# Altium PCB pUFM_Digital_Interface_R0.1-PCB.PcbDoc (part 3 of 3)
Units mm, origin at the board's own origin, x right, y up, seen from the top; angles counter-clockwise.
Board outline 147.37 x 77.37 mm, 2 copper layers (Top Layer, Bottom Layer), stack 1.57 mm thick; 267 components, 162 nets, 742 pads, 196 vias.
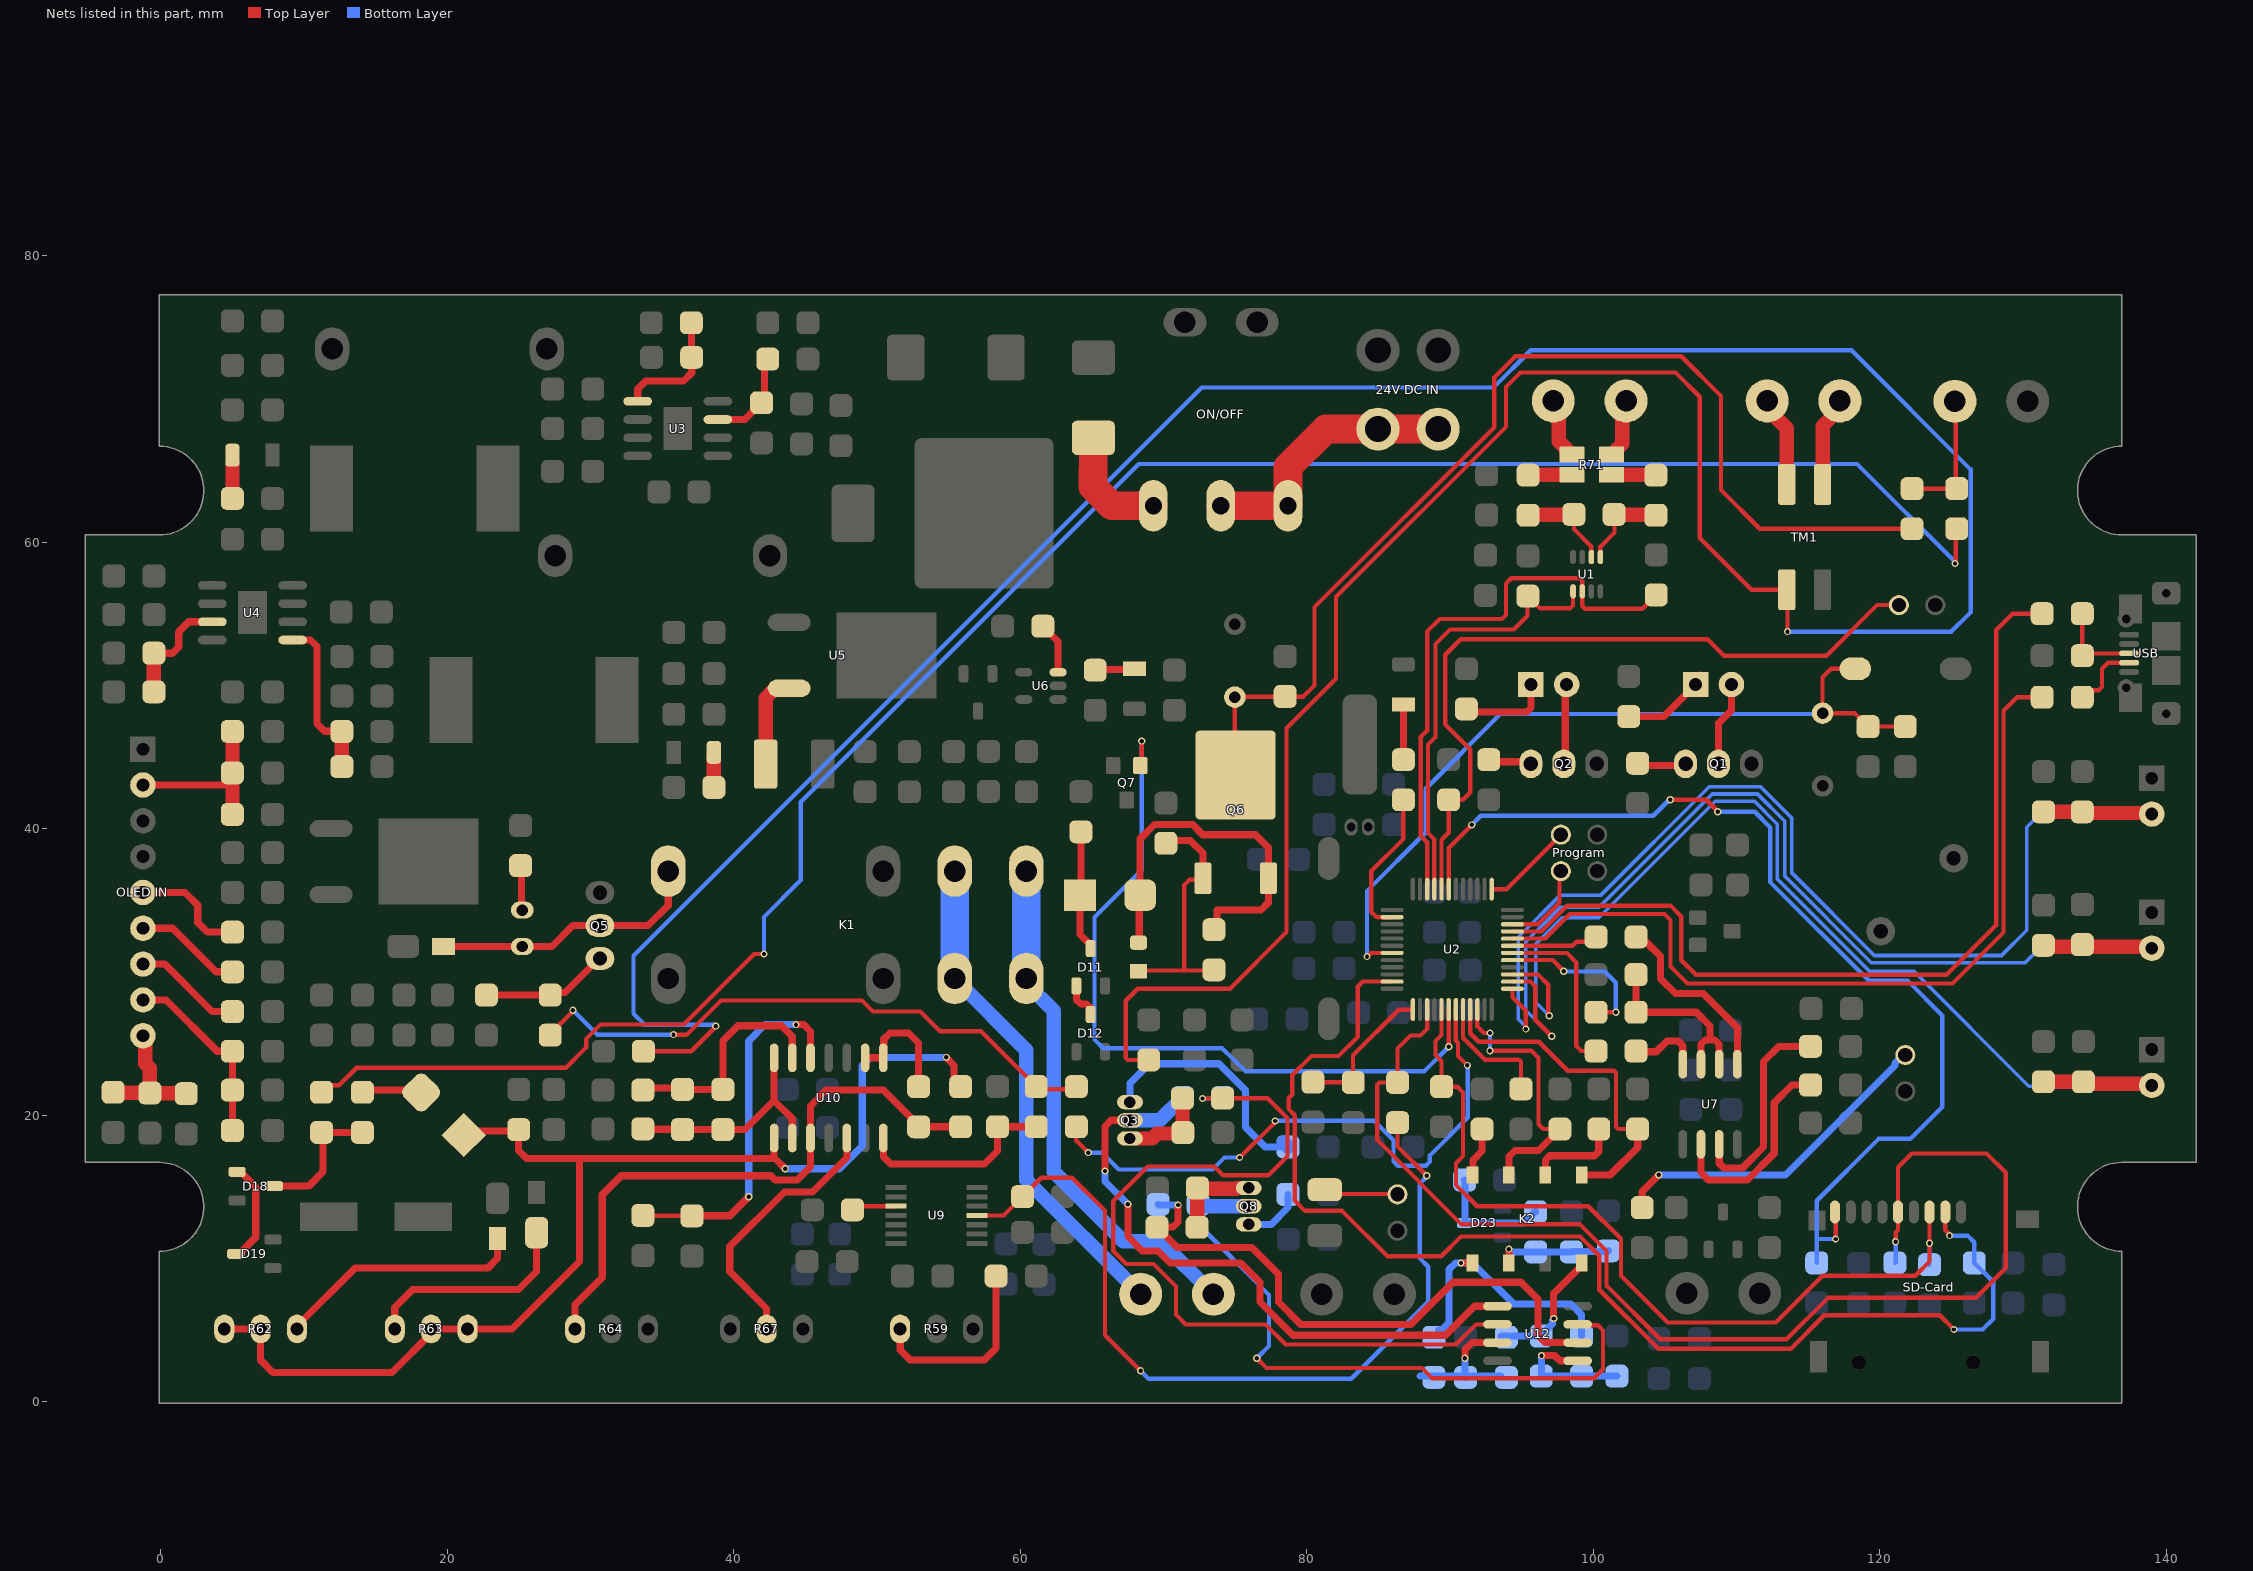
[diagram p3: the nets of this part, all layers, seen from the top]

## Via types
v1: diameter 0.5, hole 0.3, Top Layer to Bottom Layer, tented both sides, 185 vias
v2: diameter 1, hole 0.5, Top Layer to Bottom Layer, tented both sides, 11 vias

## Nets (pads, with @x,y where several pads share a name; then routed paths per layer and width w, separated by ;. In a path a pad name is that pad's centre, name@x,y a point inside that pad or via, vN(x,y) a via of type N, cw(c..) or ccw(c..) an arc to the next point about the centre after c; other vN are vias at no path point) (continued)
NetC53_1: C53.1 R73.1 U1.1 | length 6.2
  Top Layer w0.3: U1.1@100.495,58.985 100.495,59.7 101.478,60.682 C53.1@101.478,61.924
  Top Layer w1: C53.1@101.478,61.924 104.342,61.924 R73.1@104.369,61.897
NetC53_2: C53.2 R72.1 U1.2 | length 6.7
  Top Layer w0.3: C53.2@98.651,61.951 98.651,60.927 99.86,59.718 U1.2@99.86,58.985
  Top Layer w1: R72.1@95.453,61.897 95.48,61.924 98.624,61.924 C53.2@98.651,61.951
NetC56_1: C56.1 R80.2 R84.1 U10.6 | length 16.2
  Top Layer w0.5: R80.2@33.658,22.031 33.766,21.923 36.313,21.923 C56.1@36.42,21.815 R84.1@39.236,21.815 39.236,25.2 40.3,26.264 43.332,26.264 44.085,25.511 U10.6@44.085,24.022 ; R80.2@33.952,22.031 R80.2@33.955,22.034 ; C56.1@36.42,22.247 C56.1@36.424,22.25
NetC56_2: C56.2 R83.2 R84.2 U10.7 U10.9 | length 16.1
  Top Layer w0.5: R83.2@33.658,19.061 33.681,19.038 36.398,19.038 C56.2@36.42,19.015 R84.2@39.236,19.015 40.783,19.015 42.815,21.047 ; U10.7@42.815,24.022 42.815,21.047 ; U10.9@44.085,18.422 44.085,19.777 42.815,21.047
NetC61_1: C61.1 Q3.2 U12.1 | length 44.9
  Top Layer w0.5: v1(65.915,16.114) 65.915,19.236 66.338,19.66 Q3.2@67.657,19.66 ; v1(67.51,13.798) 67.51,11.545 68.519,10.535 69.608,10.535 70.442,9.701 75.383,9.701 76.73,8.355 76.73,6.969 79.043,4.656 89.691,4.656 91.715,6.68 U12.1@93.314,6.68
  Bottom Layer w0.5: v1(65.915,16.114) 65.915,15.393 v1(67.51,13.798)
  Bottom Layer w1: Q3.2@67.657,19.66 69.733,19.66 C61.1@71.32,21.247
NetC61_2: C61.2 R116.1 U12.2 | length 59.3
  Top Layer w0.3: v1(72.72,21.184) 74.031,21.184 74.082,21.234 R116.1@74.12,21.196 77.255,21.196 78.65,19.801 78.65,17.153 77.311,15.814 74.163,15.814 73.547,16.43 68.899,16.43 66.494,14.025 66.494,10.535 67.403,9.627 69.3,9.627 70.872,8.055 70.872,6.093 71.554,5.41 77.121,5.41 78.525,4.006 79.134,4.006 79.276,4.006 90.405,4.006 91.809,5.41 U12.2@93.314,5.41
  Bottom Layer w0.3: v1(72.72,21.184) 74.057,21.184 C61.2@74.12,21.247
NetC62_1: C62.1 R117.2 U12.6 | length 42
  Top Layer w0.5: v1(71.018,13.741) 71.018,12.558 70.665,12.205 69.555,12.205 R117.2@69.542,12.192 70.96,10.774 76.162,10.774 78.018,8.919 78.018,6.971 79.578,5.41 87.263,5.41 90.207,8.355 94.951,8.355 96.143,7.163 96.143,4.644 96.647,4.14 U12.6@98.914,4.14
  Bottom Layer w0.5: C62.1@69.618,13.792 69.669,13.741 v1(71.018,13.741)
NetC62_2: C62.2 Q8.2 U12.7 | length 46.5
  Top Layer w0.3: v1(76.506,3.052) 77.196,2.362 88.036,2.362 88.738,1.661 100.066,1.661 100.68,2.275 100.68,4.993 100.311,5.362 98.961,5.362 U12.7@98.914,5.41
  Bottom Layer w0.3: C62.2@72.418,13.792 72.418,12.398 77.356,7.461 77.356,3.901 v1(76.506,3.052)
  Bottom Layer w1: C62.2@72.368,13.894 72.596,13.665 Q8.2@75.946,13.665
NetCONV-IN_1: "Converter OUT.1" R78.2 R79.2 | length 9.3
  Top Layer w0.3: R78.2@122.25,63.757 R79.2@125.374,63.757 125.311,63.82 125.311,69.787 125.247,69.85
NetD2_1: D2.1 R4.1 | length 3.8
  Top Layer w0.5: R4.1@86.741,44.834 D2.1@86.741,48.683
NetD4_2: D4.2 R32.2 | length 2.5
  Top Layer w1: R32.2@5.001,63.068 D4.2@5.001,65.588
NetD6_2: D6.2 R26.2 | length 1.9
  Top Layer w1: R26.2@38.604,43.164 D6.2@38.604,45.057
NetD8_1: D8.1 R35.1 | length 2.8
  Top Layer w0.5: R35.1@65.231,51.082 65.281,51.132 67.911,51.132 D8.1@67.961,51.183
NetD9_1: D9.1 D10.2 K1.8 Q5.2 | length 19.3
  Top Layer w0.5: D9.1@19.728,31.797 25.651,31.797 27.314,31.797 28.765,33.249 Q5.2@30.658,33.249 34.011,33.249 35.423,34.661 K1.8@35.423,37.059
NetD10_1: D10.1 R42.1 | length 3.2
  Top Layer w0.5: R42.1@25.121,37.437 25.177,37.38 25.177,34.39 D10.1@25.234,34.333
NetD11_1: D11.1 D12.3 | length 2.6
  Top Layer w0.5: D11.1@63.915,29.044 63.932,29.027 63.932,28.067 64.231,27.768 64.622,27.768 64.915,27.475 D12.3@64.915,27.044
NetD11_3: D11.3 D13.1 R40.2 | length 8.5
  Top Layer w0.5: R40.2@64.231,39.799 64.231,35.444 D13.1@64.169,35.382 64.169,32.64 64.915,31.894 D11.3@64.915,31.644
NetD13_2: D13.2 D14.2 Q6.3 R44.2 | length 26.4
  Top Layer w0.5: D14.2@68.25,32.064 68.309,32.124 68.309,35.323 D13.2@68.369,35.382 68.369,39.311 69.36,40.303 72.037,40.303 72.741,39.599 76.428,39.599 77.317,38.71 Q6.3@77.317,36.557 77.317,34.851 76.81,34.344 73.735,34.344 73.735,33.179 R44.2@73.52,32.964
NetD14_1: D14.1 Q6.1 R44.1 R45.2 | length 17.7
  Top Layer w0.3: D14.1@68.25,30.064 68.3,30.114 71.361,30.114 ; Q6.1@72.747,36.557 72.747,36.442 71.805,36.442 71.45,36.087 71.45,30.204 71.361,30.114 ; R44.1@73.52,30.164 73.47,30.114 71.361,30.114
  Top Layer w0.5: R45.2@70.168,38.999 70.361,39.192 71.87,39.192 72.747,38.315 Q6.1@72.747,36.557
NetD15_2: D15.2 Q6.4 R46.2 R78.1 | length 76.7
  Top Layer w0.3: Q6.4@75.032,43.757 74.981,43.808 D15.2@74.981,49.2 75.005,49.224 79.745,49.224 80.543,50.023 80.543,55.491 93.081,68.028 93.081,71.507 94.574,73 106.147,73 108.922,70.224 108.922,63.66 111.625,60.957 R78.1@122.25,60.957
NetD16_1: D16.1 R62.1 | length 17.5
  Top Layer w0.5: R62.1@9.512,5.092 9.512,5.296 13.554,9.338 22.825,9.338 23.495,10.008 D16.1@23.495,11.405
NetD17_2: D17.2 R63.3 | length 15.2
  Top Layer w0.5: R63.3@16.335,5.092 16.335,6.595 17.589,7.849 24.98,7.849 26.234,9.103 D17.2@26.234,11.817
NetD18_1: D18.1 D19.3 | length 7.1
  Top Layer w0.5: D19.3@5.228,10.338 5.328,10.438 5.578,10.438 6.629,11.489 6.629,15.012 5.679,15.962 5.429,15.962 D18.1@5.329,16.062
NetD18_3: D18.3 R68.2 R69.1 | length 9.5
  Top Layer w0.5: D18.3@7.929,15.062 10.328,15.062 11.328,16.062 11.328,18.717 R69.1@11.227,18.818 R68.2@14.074,18.818
NetD20_1: D20.1 R62.2 R62.3 R63.1 R63.2 R65.2 R66.1 U10.8 | length 85
  Top Layer w0.5: R62.3@4.432,5.092 R62.2@6.972,5.092 6.972,2.909 7.823,2.057 16.14,2.057 18.875,4.792 R63.2@18.875,5.092 R63.1@21.415,5.092 24.526,5.092 29.235,9.802 29.235,16.997 ; D20.1@20.785,18.909 24.489,18.909 24.98,19.401 24.98,17.558 25.541,16.997 29.235,16.997 ; U10.8@42.796,18.402 U10.8@42.815,18.422 42.815,17.053 42.871,16.997 ; v1(43.586,16.281) 42.871,16.997 ; v1(54.839,24.054) 54.839,24.027 55.382,23.485 55.382,22.467 R65.2@55.839,22.009 ; 29.235,16.997 42.871,16.997
  Bottom Layer w0.5: v1(43.586,16.281) 47.388,16.281 48.971,17.864 48.971,23.495 49.53,24.054 v1(54.839,24.054)
NetD20_2: D20.2 R68.1 | length 3.8
  Top Layer w0.5: R68.1@14.074,21.618 14.22,21.764 17.7,21.764 D20.2@17.815,21.879
NetD23_3: D23.3 R124.2 R125.1 | length 8.3
  Bottom Layer w0.5: R124.2@91.015,15.487 91.046,15.456 91.046,12.522 D23.3@91.077,12.491 91.086,12.483 95.131,12.483 95.923,13.274 R125.1@95.974,13.274
NetDC_IN_3: "24V DC IN.3" "24V DC IN.4" ON/OFF.1 ON/OFF.2 | length 19
  Top Layer w2: ON/OFF.2@73.99,62.56 ON/OFF.1@78.69,62.56 78.69,65.276 81.327,67.913 84.971,67.913 89.171,67.913
NetF1_1: F1.1 U5.3 | length 6.5
  Top Layer w1: F1.1@42.221,44.526 42.221,49.135 42.869,49.783 43.828,49.783 U5.3@43.866,49.821
NetF2_1: F2.1 ON/OFF.3 | length 8.2
  Top Layer w2: F2.1@65.1,67.304 65.1,65.074 65.078,65.052 65.078,63.877 66.396,62.56 ON/OFF.3@69.29,62.56
NetJ1_2: Program.2 U2.34 | length 6.2
  Top Layer w0.3: U2.34@94.357,33.344 96.13,33.344 96.143,33.357 97.638,34.852 97.638,36.957 Program.2@97.739,37.059
NetJ1_4: Program.4 U2.37 | length 6.4
  Top Layer w0.3: U2.37@92.907,35.794 93.934,35.794 Program.4@97.739,39.599
NetJ2_2: BOOT.2 R3.2 U2.44 | length 52.6
  Top Layer w0.3: U2.44@89.407,35.794 89.407,39.241 89.907,39.741 R3.2@89.907,42.034 90.894,42.034 91.407,42.547 91.407,45.554 89.662,47.299 89.662,52.157 90.743,53.238 107.976,53.238 109.12,52.094 116.28,52.094 119.812,55.626 BOOT.2@121.336,55.626
NetJ4_2: R122.2 Test.2 | length 5.2
  Top Layer w0.3: R122.2@81.255,14.817 81.557,14.515 86.307,14.515 Test.2@86.335,14.487
NetK1_3: K1.3 K1.6 Relay.2 | length 34.9
  Bottom Layer w1: K1.3@55.423,29.559 60.423,24.559 60.423,15.498 Relay.2@68.402,7.518
  Bottom Layer w2: K1.3@55.423,29.559 K1.6@55.423,37.059
NetK1_4: K1.4 K1.5 Relay.1 | length 36.5
  Bottom Layer w1: K1.4@60.423,29.559 60.423,29.214 62.332,27.305 62.332,16.077 67.183,11.225 69.775,11.225 Relay.1@73.482,7.518
  Bottom Layer w2: K1.4@60.423,29.559 K1.5@60.423,37.059
NetK2_2: K2.2 R105.2 | length 6.6
  Top Layer w0.5: K2.2@96.647,15.851 96.671,15.875 96.671,16.891 96.964,17.184 100.091,17.184 100.384,17.477 R105.2@100.384,19.047
NetK2_4: K2.4 R107.2 | length 3.5
  Top Layer w0.5: K2.4@91.567,15.851 91.602,15.886 91.602,16.868 92.24,17.507 R107.2@92.24,19.047
NetK2_5: K2.5 R110.1 R111.2 | length 17.9
  Top Layer w0.5: v1(90.764,9.701) K2.5@91.567,9.701
  Bottom Layer w0.5: R110.1@89.19,5.014 89.42,5.014 89.935,5.529 89.935,9.258 90.377,9.701 v1(90.764,9.701) 91.567,9.701 94.442,6.826 98.447,6.826 99.187,6.086 R111.2@99.187,4.6
NetK2_6: K2.6 R113.1 R115.2 R125.2 | length 8
  Top Layer w0.5: K2.6@94.107,9.701 v1(94.107,10.668)
  Bottom Layer w0.5: v1(94.107,10.668) 94.301,10.474 R125.2@95.974,10.474 R113.1@98.476,10.474 98.512,10.511 101.017,10.511 R115.2@101.054,10.547
NetK2_8: K2.8 R108.1 R109.2 | length 9.1
  Top Layer w0.5: v1(97.243,5.822) 97.231,5.835 97.231,7.555 99.187,9.511 K2.8@99.187,9.701
  Bottom Layer w0.5: R108.1@93.547,4.6 R109.2@96.367,4.6 96.367,4.682 97.148,5.462 97.148,5.727 v1(97.243,5.822)
NetLED1_1: LED1.1 R8.1 | length 6.4
  Top Layer w0.5: R8.1@102.188,47.561 R8.1@102.475,47.848 104.912,47.848 LED1.1@107.147,50.083 ; LED1.1@107.147,50.48 LED1.1@107.407,50.741
NetLED1_2: LED1.2 Q1.2 | length 5.9
  Top Layer w0.5: Q1.2@108.744,44.998 108.744,47.378 109.647,48.28 LED1.2@109.647,50.48
NetLED2_1: LED2.1 R12.1 | length 7.1
  Top Layer w0.5: R12.1@91.141,48.282 91.265,48.158 95.35,48.158 95.642,48.451 LED2.1@95.642,50.083 LED2.1@95.077,49.517
NetLED2_2: LED2.2 Q2.2 | length 5.9
  Top Layer w0.5: Q2.2@97.942,44.236 98.042,44.336 98.042,49.983 LED2.2@98.142,50.083
NetP_OLED_2: "OLED IN.2" R92.1 R93.1 R94.1 | length 12.2
  Top Layer w0.5: -1.245,43.064 4.701,43.064 5.001,42.764 ; R92.1@4.92,43.908 R92.1@5.001,43.908
  Top Layer w1: R94.1@5.001,41.008 5.001,42.764 R92.1@5.001,43.908 R93.1@5.001,46.803
NetP_OLED_5: "OLED IN.5" R89.2 | length 8.1
  Top Layer w0.5: -1.245,35.563 -1.239,35.569 1.688,35.569 2.581,34.676 2.581,33.465 3.25,32.797 R89.2@5.001,32.797
NetP_OLED_6: "OLED IN.6" R90.2 | length 7.5
  Top Layer w0.5: -1.245,33.063 0.82,33.063 3.859,30.025 R90.2@5.001,30.025
NetP_OLED_7: "OLED IN.7" R91.2 | length 7.6
  Top Layer w0.5: -1.245,30.563 0.27,30.563 3.581,27.252 R91.2@5.001,27.252
NetP_OLED_8: "OLED IN.8" R36.1 R85.1 R86.2 | length 13.3
  Top Layer w0.5: -1.245,28.063 0.36,28.063 3.942,24.48 R36.1@5.001,24.48 R86.2@5.001,21.768 R85.1@5.001,18.948
NetP_OLED_9: "OLED IN.9" R37.1 R87.1 R88.2 | length 9.3
  Top Layer w1: R88.2@-3.327,21.618 -3.302,21.593 -0.787,21.593 R87.1@-0.762,21.568 ; -1.245,25.563 -1.096,25.414 -1.096,23.642 -0.762,23.308 R87.1@-0.762,21.568 ; R37.1@1.778,21.517 1.753,21.542 -0.737,21.542 R87.1@-0.762,21.568
NetPowerMeas_IN_1: "Power Measurment.2" R71.2 | length 4.4
  Top Layer w1: R71.2@101.273,66.13 101.598,66.13 101.648,66.18 101.648,66.505 102.018,66.875 102.018,69.608 102.286,69.875
NetPowerMeas_IN_2: "Power Measurment.1" R71.4 | length 4.5
  Top Layer w1: 97.206,69.875 97.588,69.493 97.588,67.065 98.148,66.505 98.148,66.18 98.198,66.13 R71.4@98.523,66.13
NetPUSB_2: R19.1 USB.2 | length 5
  Top Layer w0.3: R19.1@134.137,49.194 134.623,49.68 135.278,49.68 135.509,49.911 135.509,51.181 135.932,51.604 USB.2@137.405,51.604
NetPUSB_3: R15.2 R18.1 USB.3 | length 6.3
  Top Layer w0.3: R18.1@134.137,55.026 R15.2@134.137,52.094 134.287,52.244 137.395,52.244 USB.3@137.405,52.254
NetQ1_3: Q1.3 R5.2 | length 3.4
  Top Layer w0.5: R5.2@103.439,44.268 103.369,44.339 103.469,44.439 106.344,44.439 Q1.3@106.444,44.539 ; Q1.3@106.374,45.068 Q1.3@106.444,44.998
NetQ2_3: Q2.3 R10.2 | length 3.2
  Top Layer w0.5: R10.2@92.558,44.834 92.705,44.686 95.495,44.686 Q2.3@95.642,44.539
NetQ3_1: Q3.1 R116.2 R118.1 | length 6.3
  Top Layer w1: Q3.1@67.657,18.39 69.214,18.39 69.568,18.744 71.293,18.744 R118.1@71.347,18.797 ; R118.1@71.32,18.797 R116.2@71.32,21.196
NetQ3_3: Q3.3 R126.2 | length 17.3
  Bottom Layer w0.5: Q3.3@67.657,20.93 67.657,22.247 69.016,23.606 73.878,23.606 75.726,21.758 75.726,19.176 77.097,17.805 R126.2@78.689,17.805
  Bottom Layer w1: R126.2@78.389,18.105 R126.2@78.689,17.805
NetQ5_3: Q5.3 R41.2 R43.2 | length 8.7
  Top Layer w0.5: R43.2@22.733,28.4 R41.2@27.187,28.4 ; R41.2@27.435,28.572 28.219,28.572 30.596,30.949 Q5.3@30.658,30.949
NetQ8_1: Q8.1 R117.1 R120.2 | length 6.4
  Top Layer w1: R117.1@72.342,12.192 72.355,12.205 72.355,14.922 R120.2@72.368,14.935 72.609,14.935 72.668,14.877 75.068,14.877 75.127,14.935 Q8.1@75.946,14.935
NetQ8_3: Q8.3 R119.1 | length 4.1
  Bottom Layer w0.5: Q8.3@75.946,12.395 77.516,12.395 78.689,13.569 R119.1@78.689,14.487
NetR2_2: R2.2 U2.20 | length 8.6
  Top Layer w0.3: U2.20@90.907,27.394 90.907,25.418 92.44,23.885 94.804,23.885 94.951,23.739 94.951,21.851 R2.2@94.955,21.847
NetR4_2: R4.2 U2.2 | length 10.4
  Top Layer w0.3: 85.008,33.844 U2.2@85.957,33.844 ; 85.008,33.848 84.859,33.848 84.497,34.21 84.497,37.053 86.741,39.297 R4.2@86.741,42.034
NetR6_1: R6.1 R7.2 U4.3 | length 8.3
  Top Layer w0.5: R6.1@-0.483,52.267 0.816,52.267 1.257,52.707 1.257,53.758 1.956,54.458 U4.3@3.601,54.458
  Top Layer w1: R7.2@-0.483,49.572 R6.1@-0.483,52.267
NetR9_1: R9.1 R60.1 TM1.2 | length 251.8
  Top Layer w0.3: R60.1@33.694,24.48 37.028,24.48 38.738,26.19 v1(38.738,26.235) ; R9.1@68.966,23.873 67.512,23.873 67.365,24.019 67.365,28.003 68.206,28.844 74.638,28.844 78.588,32.794 78.588,47.025 82.042,50.479 82.042,56.206 93.904,68.068 93.904,70.852 94.909,71.857 105.74,71.857 107.431,70.166 107.431,60.316 111.046,56.701 TM1.2@113.507,56.701 113.563,56.645 v1(113.563,53.772)
  Bottom Layer w0.3: v1(38.738,26.235) 38.633,26.34 33.757,26.34 32.995,27.102 32.995,31.14 72.669,70.815 93.04,70.815 95.638,73.413 118.027,73.413 126.34,65.1 126.34,55.118 124.993,53.772 v1(113.563,53.772)
NetR18_2: R18.2 U2.33 | length 64
  Top Layer w0.3: U2.33@94.357,32.844 96.378,32.844 98.18,34.646 105.381,34.646 106.147,33.88 106.147,30.829 107.147,29.829 124.674,29.829 128.13,33.285 128.13,53.886 129.27,55.026 R18.2@131.337,55.026
NetR19_2: R19.2 U2.32 | length 58.9
  Top Layer w0.3: U2.32@94.357,32.344 96.647,32.344 98.36,34.057 104.969,34.057 105.394,33.632 105.394,30.395 106.579,29.21 125.076,29.21 128.634,32.768 128.634,48.243 129.585,49.194 R19.2@131.337,49.194
NetR21_1: R21.1 R22.2 U4.5 | length 11.7
  Top Layer w0.3: U4.5@9.201,53.188 U4.5@9.521,53.188
  Top Layer w0.5: U4.5@9.521,53.188 10.444,53.188 10.897,52.735 10.897,47.336 11.418,46.814 12.627,46.814 R22.2@12.638,46.803
  Top Layer w1: R22.2@12.638,46.803 12.642,46.799 12.642,44.352 R21.1@12.646,44.348
NetR27_1: R27.1 R28.2 U3.3 | length 6.8
  Top Layer w0.5: U3.3@38.893,68.58 40.769,68.58 R27.1@41.941,69.752 42.155,69.966 42.155,72.582 R28.2@42.37,72.797
NetR30_1: R30.1 R31.2 U3.5 | length 8.6
  Top Layer w0.5: U3.5@33.293,69.85 33.293,70.708 33.858,71.272 36.488,71.272 37.062,71.846 R30.1@37.062,72.923 37.049,72.936 37.049,75.324 R31.2@37.036,75.336
NetR33_2: R33.2 U6.3 | length 3.7
  Top Layer w0.5: R33.2@61.573,54.153 62.643,53.083 U6.3@62.643,50.937
NetR41_1: R41.1 R76.2 R77.2 | length 41.1
  Top Layer w0.3: R41.1@27.187,25.6 27.187,25.698 28.765,27.276 v1(28.765,27.344) ; v1(35.789,25.641) 36.724,25.641 39.101,28.018 48.953,28.018 49.717,27.255 53.013,27.255 54.394,25.873 57.251,25.873 R76.2@61.115,22.009 ; R76.2@61.115,21.796 61.141,21.822 63.221,21.822 R77.2@63.246,21.847
  Bottom Layer w0.3: v1(28.765,27.344) 30.469,25.641 v1(35.789,25.641)
NetR47_2: R47.2 R48.2 U7.2 U7.3 | length 13.6
  Top Layer w0.5: R47.2@102.992,26.873 103.322,27.203 107.188,27.203 108.149,26.242 108.149,25.273 ; R47.2@102.992,27.203 R48.2@102.992,29.832 ; U7.3@107.518,23.577 107.518,24.98 107.811,25.273 108.149,25.273 ; U7.2@108.788,23.577 108.769,23.596 108.769,24.991 108.487,25.273 108.149,25.273
NetR50_2: R50.2 U7.1 | length 13.3
  Top Layer w0.5: R50.2@102.73,32.131 103.67,32.131 104.691,31.11 104.691,29.548 105.737,28.502 107.676,28.502 110.058,26.12 U7.1@110.058,23.577
NetR51_2: R51.2 U7.4 | length 4.3
  Top Layer w0.5: R51.2@103.67,24.444 104.397,24.444 105.138,25.185 105.936,25.185 106.248,24.873 U7.4@106.248,23.577
NetR52_1: R52.1 U7.7 | length 14.8
  Top Layer w0.5: U7.7@108.788,17.977 108.788,16.655 109.103,16.341 110.436,16.341 111.882,17.787 111.882,23.756 112.941,24.816 R52.1@115.161,24.816
NetR53_1: R53.1 U7.6 | length 14.6
  Top Layer w0.5: U7.6@107.518,17.977 107.518,16.007 108.031,15.494 110.774,15.494 112.636,17.356 112.636,20.891 113.868,22.123 R53.1@115.161,22.123
NetR56_1: R56.1 Termination.1 | length 23.5
  Top Layer w0.5: R56.1@103.415,13.567 103.415,14.693 v1(104.572,15.85)
  Bottom Layer w0.5: v1(104.572,15.85) 113.41,15.85 121.055,23.494 121.055,23.65 121.623,24.219 Termination.1@121.78,24.219
NetR57_1: R57.1 U9.3 | length 3
  Top Layer w0.3: R57.1@48.387,13.667 48.389,13.665 51.334,13.665 U9.3@51.336,13.667
NetR58_1: R58.1 R59.3 | length 13.8
  Top Layer w0.5: R59.3@51.616,5.092 51.616,3.629 52.324,2.921 57.48,2.921 58.315,3.756 R58.1@58.315,8.788
NetR61_1: R61.1 U10.1 U10.2 | length 8.5
  Top Layer w0.5: U10.2@49.165,24.022 U10.1@50.435,24.022 50.467,24.054 50.467,25.318 50.896,25.747 52.206,25.747 52.903,25.05 R61.1@52.903,22.004
NetR61_2: R61.2 R64.3 R65.1 U10.10 | length 42
  Top Layer w0.5: R64.3@28.918,5.092 28.918,6.781 30.822,8.685 30.822,14.464 32.147,15.789 42.603,15.789 42.898,15.494 44.427,15.494 45.355,16.422 U10.10@45.355,18.422 45.355,20.666 46.457,21.768 50.44,21.768 52.93,19.278 53.186,19.278 53.255,19.209 R65.1@55.839,19.209
NetR67_2: R67.2 U10.12 | length 18.9
  Top Layer w0.5: R67.2@42.291,5.092 42.291,6.528 39.72,9.098 39.72,10.841 43.541,14.661 45.489,14.661 47.895,17.067 U10.12@47.895,18.422
NetR69_2: R69.2 R79.1 | length 142.7
  Top Layer w0.3: R69.2@11.227,21.618 11.722,22.114 12.458,22.114 13.677,23.334 28.283,23.334 29.69,24.741 29.69,25.329 30.706,26.345 36.503,26.345 41.426,31.267 v1(42.113,31.267) ; v1(125.247,58.534) 125.311,58.598 125.311,60.894 R79.1@125.374,60.957
  Bottom Layer w0.3: v1(42.113,31.267) 42.113,33.858 44.679,36.424 44.679,41.885 68.275,65.481 118.415,65.481 125.247,58.649 v1(125.247,58.534)
NetR70_1: R70.1 R76.1 U10.14 | length 14.2
  Top Layer w0.5: U10.14@50.435,18.422 50.454,18.402 50.454,17.11 50.952,16.612 57.502,16.612 58.416,17.526 R70.1@58.416,19.209 R76.1@61.115,19.209
NetR71_1: R71.1 R73.2 | length 3.1
  Top Layer w1: R71.1@101.273,64.73 101.29,64.714 104.352,64.714 R73.2@104.369,64.697
NetR71_3: R71.3 R72.2 | length 3.1
  Top Layer w1: R72.2@95.453,64.697 95.47,64.714 98.506,64.714 R71.3@98.523,64.73
NetR81_2: R81.2 R82.2 U10.5 | length 26.1
  Top Layer w0.3: R81.2@33.658,13.017 33.675,13 37.067,13 R82.2@37.084,12.982
  Top Layer w0.5: R82.2@37.084,12.982 R82.2@37.101,13 ; R82.2@37.439,13.337 R82.2@37.101,13 ; v1(41.046,14.326) 39.72,13 R82.2@37.101,13 ; v1(44.348,26.34) 44.88,26.34 45.355,25.866 U10.5@45.355,24.022
  Bottom Layer w0.5: v1(41.046,14.326) 41.046,25.204 42.182,26.34 v1(44.348,26.34)
NetR97_1: R97.1 R98.1 U2.13 | length 10.8
  Top Layer w0.3: R98.1@80.425,22.33 80.438,22.316 83.232,22.316 83.232,24.197 86.418,27.382 U2.13@87.395,27.382 ; U2.13@87.384,26.734 87.384,27.371 U2.13@87.395,27.382 ; U2.13@87.407,27.394 U2.13@87.395,27.382
NetR108_2: R108.2 R110.2 R114.2 U12.3 | length 9.8
  Top Layer w0.5: v1(91.034,3.052) 91.034,3.639 91.536,4.14 U12.3@93.314,4.14
  Bottom Layer w0.5: 87.907,1.8 R114.2@90.727,1.8 ; R114.2@90.996,1.806 R114.2@91.002,1.8 ; v1(91.034,3.052) R114.2@91.034,1.8 ; R114.2@91.086,1.716 R114.2@91.034,1.768 ; R108.2@93.547,1.8 R114.2@91.034,1.8 ; R114.2@91.002,1.8 R114.2@91.034,1.8 ; R114.2@91.002,1.8 R114.2@91.034,1.768 ; R114.2@91.034,1.768 R114.2@91.034,1.8
NetR109_1: R109.1 R111.1 R112.2 U12.5 | length 9.3
  Top Layer w0.5: v1(96.381,3.23) 97.31,3.23 97.669,2.87 U12.5@98.914,2.87
  Bottom Layer w0.5: R109.1@96.367,1.8 R109.1@96.381,1.814 ; v1(96.381,3.23) R109.1@96.381,1.814 ; R109.1@96.437,1.871 R109.1@96.381,1.814 ; R109.1@96.508,1.8 R111.1@99.187,1.8 R112.2@101.651,1.8
NetSens_IN_1: "Sensor IN.2" TM1.4 | length 6.3
  Top Layer w1: TM1.4@116.007,64.051 116.007,68.12 117.221,69.334 117.221,69.875
NetSens_IN_2: "Sensor IN.1" TM1.1 | length 6.4
  Top Layer w1: 112.141,69.875 112.141,69.334 113.507,67.968 TM1.1@113.507,64.051
NRST: C13.2 D1.1 R1.1 RESET.2 U2.7 | length 56.4
  Top Layer w0.3: v1@84.181,31.064 84.46,31.344 U2.7@85.957,31.344 ; RESET.2@118.293,51.181 116.597,51.181 116.007,50.591 D1.1@116.007,48.082 118.24,48.082 R1.1@119.177,47.145 C13.2@121.78,47.145
  Bottom Layer w0.3: v1(84.2,31.086) 84.2,35.669 88.299,39.769 88.299,42.808 93.51,48.019 D1.1@116.007,48.019
OUT-4mA: K2.3 R106.1 U2.22 | length 19
  Top Layer w0.3: 91.907,26.203 U2.22@91.907,27.394 ; 91.911,26.203 92.359,25.756 v1(92.786,25.756) v1@92.804,25.756 ; v1(92.781,24.514) 95.677,24.514 96.175,24.016 96.175,19.38 96.508,19.047 R106.1@97.669,19.047
  Top Layer w0.5: K2.3@94.107,15.851 94.111,15.856 94.111,17.129 94.536,17.553 96.175,17.553 R106.1@97.669,19.047
  Bottom Layer w0.3: v1(92.781,24.514) 92.786,24.519 v1(92.786,25.756)
OUT-20mA: K2.1 R103.1 U2.21 | length 24.3
  Top Layer w0.3: 91.407,25.944 U2.21@91.407,27.394 ; 91.411,25.944 91.411,25.734 92.002,25.143 96.195,25.143 98.215,23.123 101.445,23.123 101.592,22.977 101.592,19.193 101.738,19.047 R103.1@103.099,19.047
  Top Layer w0.5: K2.1@99.187,15.851 101.188,15.851 103.099,17.762 R103.1@103.099,19.047
PIG_DET: Q7.1 U2.18 | length 52.9
  Top Layer w0.3: Q7.1@68.379,44.418 68.478,44.517 v1(68.478,46.126) ; v1(89.907,24.792) U2.18@89.907,27.394
  Bottom Layer w0.3: v1(68.478,46.126) 68.478,37.138 65.176,33.836 65.176,25.305 65.788,24.693 74.074,24.693 75.726,23.092 88.208,23.092 v1(89.907,24.792)
PM_SCL: R74.1 U1.5 U2.45 | length 30.4
  Top Layer w0.3: U2.45@88.907,36.09 88.907,39.267 88.463,39.711 88.463,45.893 88.982,46.411 88.982,52.914 89.992,53.924 94.443,53.924 95.402,54.883 95.402,56.233 R74.1@95.428,56.258 96.288,55.397 98.385,55.397 98.59,55.602 U1.5@98.59,56.585
PM_SDA: R75.1 U1.6 U2.46 | length 39.5
  Top Layer w0.3: U2.46@88.407,35.794 88.407,39.06 87.959,39.507 87.959,46.411 88.399,46.851 88.399,53.772 89.288,54.661 93.634,54.661 93.904,54.93 93.904,57.134 94.272,57.502 99.079,57.502 99.225,57.356 U1.6@99.225,56.585 99.225,55.581 99.43,55.376 103.436,55.376 R75.1@104.394,56.334
REL_OUT: R77.1 U2.19 | length 42.1
  Top Layer w0.3: R77.1@63.915,19.209 63.915,18.233 v1(64.745,17.403) ; v1@75.26,17 v1@75.311,17.05 ; v1(75.311,17.069) v1@75.311,17.05 ; v1@77.776,19.516 v1@75.311,17.05 ; U2.19@90.407,27.394 90.407,25.211 90.557,25.061 90.557,24.149 v1(91.211,23.495)
  Bottom Layer w0.3: v1(64.745,17.403) 65.696,17.403 66.868,16.231 73.412,16.231 74.25,17.069 v1(75.311,17.069) ; v1@77.927,19.634 84.687,19.634 86.055,18.266 86.055,16.777 86.345,16.487 88.299,16.487 88.593,16.781 88.593,17.213 91.231,19.851 91.231,23.475 v1(91.211,23.495)
  other v1: 77.8,19.613
SCK: R101.2 R102.2 U9.11 | length 59.5
  Top Layer w0.3: U9.11@56.975,13.017 58.836,13.017 R101.2@60.157,14.337 61.466,15.646 63.62,15.646 65.915,13.352 65.915,4.658 v1(68.402,2.171) ; R102.2@86.335,19.503 86.335,17.828 v1(88.375,15.787)
  Bottom Layer w0.3: v1(68.402,2.171) 68.96,1.613 83.105,1.613 88.482,6.99 88.482,9.437 87.877,10.042 87.877,15.221 88.375,15.72 v1(88.375,15.787)
SD_Card_CD: R99.2 SD-Card.9 U2.43 | length 72.7
  Top Layer w0.3: U2.43@89.907,35.794 89.907,38.675 v1(91.516,40.284) ; v1(105.369,42.034) 107.891,42.034 108.687,41.238 v1(108.687,41.199) ; SD-Card.9@116.874,13.256 116.918,13.212 116.918,11.381 v1(116.916,11.379)
  Bottom Layer w0.3: v1(91.516,40.284) 92.149,40.917 104.189,40.917 v1@105.337,42.066 ; v1(108.687,41.199) 111.266,41.199 112.346,40.118 112.346,36.29 119.228,29.408 121.928,29.408 124.358,26.978 124.358,20.593 122.129,18.364 119.913,18.364 115.595,14.046 115.595,11.367 ; R99.2@115.595,9.706 115.595,11.367 ; v1@116.916,11.264 v1(116.916,11.379) 115.608,11.379 115.595,11.367
SD_Card_CS: R14.2 SD-Card.2 U2.11 | length 87.6
  Top Layer w0.3: U2.11@85.957,29.344 83.909,29.344 83.552,28.986 83.552,25.485 82.215,24.148 80.319,24.148 78.977,22.805 78.977,21.442 78.731,21.196 78.731,20.47 78.756,20.445 78.756,20.408 79.154,20.01 79.154,14.057 79.873,13.337 82.462,13.337 85.628,10.172 89.391,10.172 90.764,11.545 99.081,11.545 100.419,10.207 100.419,7.831 104.542,3.708 113.792,3.708 116.129,6.045 124.18,6.045 v1(125.17,5.054) ; SD-Card.2@124.574,13.256 124.574,11.995 124.866,11.703 v1(124.866,11.608)
  Bottom Layer w0.3: v1(124.866,11.608) 126.133,11.608 126.594,11.147 R14.2@126.594,9.706 127.914,8.385 127.914,5.791 127.178,5.054 v1(125.17,5.054)
SPI_MOSI: R95.1 R104.1 SD-Card.3 U2.17 | length 59.3
  Top Layer w0.3: U2.17@89.407,27.394 89.407,25.61 88.982,25.185 88.982,24.212 89.411,23.783 R104.1@89.411,22.009 90.497,22.009 90.907,21.599 90.907,17.163 90.411,16.667 90.411,15.152 91.898,13.665 99.653,13.665 101.931,11.387 101.931,8.811 105.195,5.548 112.736,5.548 115.999,8.811 122.473,8.811 123.474,9.812 v1(123.474,11.078) SD-Card.3@123.474,13.256
  Bottom Layer w0.3: R95.1@123.473,9.579 123.474,9.58 v1(123.474,11.078)
SPI_SCK: R96.2 R102.1 SD-Card.5 U2.15 | length 86.7
  Top Layer w0.3: U2.15@88.407,27.394 88.407,26.036 88.399,26.028 87.944,25.572 87.244,25.572 86.335,24.663 R102.1@86.335,22.303 85.075,22.303 84.928,22.157 84.928,18.274 90.807,12.395 99.063,12.395 100.923,10.535 100.923,8.118 104.672,4.369 113.487,4.369 116.383,7.264 126.695,7.264 128.803,9.373 128.803,15.996 127.451,17.348 122.237,17.348 121.274,16.385 SD-Card.5@121.274,13.256 121.274,11.995 121.107,11.828 v1(121.107,11.176)
  Bottom Layer w0.3: R96.2@121.056,9.706 121.107,9.757 v1(121.107,11.176)
SW1: BUT1.2 C16.2 R16.1 U2.27 | length 75.7
  Top Layer w0.3: U2.27@94.357,29.844 96.143,29.844 ; 96.143,29.832 96.85,29.125 96.85,27.027 v1(96.923,26.954)
  Top Layer w1: R16.1@131.42,22.349 C16.2@134.214,22.349 134.341,22.222 138.862,22.222 BUT1.2@138.989,22.095
  Bottom Layer w0.25: v1@96.922,26.955 95.987,27.891 95.987,31.965 97.81,33.788 100.375,33.788 108.514,41.927 111.253,41.927 112.852,40.328 112.852,36.5 119.282,30.07 122.387,30.07 130.41,22.047 138.941,22.047 BUT1.2@138.989,22.095
SW2: BUT2.2 C18.2 R23.1 U2.26 | length 76.2
  Top Layer w0.3: U2.26@94.357,29.344 95.61,29.344 95.955,29 95.955,26.677 v1(97.104,25.527)
  Top Layer w1: R23.1@131.42,31.874 131.521,31.773 138.888,31.773 BUT2.2@138.989,31.672
  Bottom Layer w0.25: v1(97.104,25.527) 95.292,27.339 95.292,32.122 97.689,34.519 100.386,34.519 108.303,42.435 111.463,42.435 113.36,40.538 113.36,36.71 119.413,30.658 130.142,30.658 131.156,31.672 BUT2.2@138.989,31.672
SW3: BUT3.2 C19.2 R25.1 U2.25 | length 81.5
  Top Layer w0.3: U2.25@94.357,28.844 94.357,28.249 95.292,27.313 v1(95.292,26.022)
  Top Layer w1: R25.1@131.429,41.196 C19.2@134.137,41.196 134.217,41.116 138.909,41.116 BUT3.2@138.989,41.036
  Bottom Layer w0.25: v1(95.292,26.022) 95.292,26.186 94.751,26.727 94.751,32.438 97.67,35.357 100.506,35.357 108.093,42.943 111.674,42.943 113.868,40.749 113.868,36.921 119.623,31.166 128.499,31.166 130.251,32.918 130.251,40.107 131.18,41.036 BUT3.2@138.989,41.036
URx: R50.1 U2.31 | length 6.1
  Top Layer w0.3: U2.31@94.357,31.844 98.555,31.844 98.842,32.131 99.861,32.131 R50.1@100.192,32.461
UTE: R47.1 U2.29 | length 11.3
  Top Layer w0.3: U2.29@94.357,30.844 97.164,30.844 v1(97.938,30.07) ; R47.1@100.192,27.203 v1(101.575,27.203)
  Bottom Layer w0.3: v1(97.938,30.07) 97.965,30.043 100.799,30.043 101.575,29.267 v1(101.575,27.203)
UTx: R51.1 U2.30 | length 12.1
  Top Layer w0.3: U2.30@94.357,31.344 98.151,31.344 98.155,31.34 98.817,30.678 98.817,24.844 99.168,24.493 R51.1@100.192,24.493
pads on no net: D7.2 D11.2 D12.2 D18.2 D19.2 D23.2 K1.2 K1.7 ON/OFF. SD-Card. SD-Card.1 SD-Card.8 USB.1 USB.4

## Polygon pours and split planes (outlines as drawn)
GND on Bottom Layer "GND_L02_P002" (solid, remove dead copper, pour order 2): -5.283,60.554 -0.178,60.554 -0.178,77.394 136.957,77.394 136.957,60.579 142.138,60.579 142.138,16.739 136.957,16.739 136.957,-0.102 -0.178,-0.102 -0.178,16.72 -5.283,16.72
GND on Top Layer "TOP-GND-POL" (solid, remove dead copper, pour order 0): -5.283,60.554 -0.152,60.554 -0.152,77.394 136.903,77.394 136.903,60.554 142.113,60.554 142.113,16.713 136.931,16.713 136.931,-0.127 -0.152,-0.127 -0.152,16.713 -5.283,16.713

## Keep-outs
Keep-Out Layer:
  the board outline again, w0.254

## Other copper
Top Layer:
  pour cut-out: 131.427,43.998 131.427,40.008 129.263,40.008 129.263,43.998
  pour cut-out: 131.47,30.686 129.263,30.686 129.263,35.862 131.47,35.862
  pour cut-out: 104.691,29.548 98.817,29.548 98.817,32.461 104.691,32.461
  pour cut-out: 95.5,1.661 95.5,5.548 100.066,5.548 100.066,1.661
  pour cut-out: 55.735,47.619 55.735,44.379 58.973,44.379 58.973,47.619
  pour cut-out: 59.943,50.937 59.256,50.937 59.256,50.278 58.406,49.428 51.611,49.428 51.611,47.192 59.943,47.192
  pour cut-out: 52.255,42.783 52.255,46.633 45.795,46.633 45.795,42.783
  pour cut-out: 40.314,38.037 47.463,38.037 48.974,39.548 59.741,39.548 62.792,42.599 62.792,45.202 54.147,45.202 54.147,41.405 40.314,41.405
  pour cut-out: 17.407,33.319 17.407,24.421 35.423,24.421 35.423,34.462 26.787,34.462 26.787,42.008 23.733,42.008 23.733,34.574 22.478,33.319
  pour cut-out: 9.8,41.337 9.804,25.121 10.504,24.421 14.074,24.421 14.074,41.337
  pour cut-out: 48.33,62.027 48.33,66.815 37.57,66.815 37.57,63.525 37.57,62.027
  pour cut-out: 39.956,56.769 54.42,56.769 54.42,55.905 44.45,55.905 43.847,55.302 43.847,54.44 42.285,54.44
  pour cut-out: 16.891,75.921 27.044,75.921 27.058,75.907 27.058,73.508 23.81,73.508 23.529,73.227 23.529,64.91 7.801,64.91 7.801,62.921 1.257,62.921 1.257,67.284 5.661,67.284 5.661,75.907 8.989,75.907 8.989,69.85 16.891,69.85
  pour cut-out: 34.026,63.525 31.928,65.624 31.928,74.47 38.893,74.47 38.893,64.454 37.965,63.525
  pour cut-out: 38.311,63.525 34.77,63.525 33.559,62.315 17.554,62.315 17.554,45.536 15.262,45.536 15.262,42.887 33.21,42.887 34.898,41.199 38.311,41.199
  pour cut-out: 7.853,43.96 15.262,43.96 15.262,55.101 10.189,55.101 10.189,47.991 7.835,47.991 7.835,43.942
  pour cut-out: -5.283,50.366 -5.283,57.087 -2.739,59.632 9.538,59.632 9.538,55.219 10.897,53.861 10.897,50.366
  pour cut-out: 4.971,44.294 4.971,16.72 -5.283,16.72 -5.283,44.294
  pour cut-out: 8.82,15.062 -0.152,15.062 -0.152,9.596 5.004,9.596 6.647,11.239 8.82,11.239
  pour cut-out: 5.001,16.509 7.273,14.237 12.56,14.237 12.56,8.242 10.054,5.736 6.972,5.736 6.972,2.909 7.823,2.057 15.99,2.057 18.382,4.449 28.918,4.449 28.918,6.781 30.822,8.685 30.822,14.464 32.598,16.241 32.598,23.987 5.001,23.987
  pour cut-out: 52.312,19.795 50.266,21.841 25.541,21.841 25.541,16.997 52.312,16.997
  pour cut-out: 51.335,9.788 51.335,14.967 63.186,14.976 63.186,9.788
  pour cut-out: 39.72,9.098 42.012,6.807 54.188,6.807 54.188,7.788 48.389,7.788 47.92,8.258 47.92,9.788 39.72,9.788
  pour cut-out: 39.108,3.92 41.377,1.651 58.979,1.651 61.115,3.788 61.115,8.788 62.552,8.788 62.589,8.751 62.589,4.528 62.653,4.528 67.257,-0.076 39.108,-0.076
  pour cut-out: 75.618,26.673 62.736,26.673 62.736,17.511 74.762,17.511 75.618,18.367
  pour cut-out: 63.213,69.803 93.895,69.803 82.784,58.692 66.382,58.692 63.213,55.523
  pour cut-out: 63.595,55.569 66.612,58.586 83.639,58.586 80.622,55.569
  pour cut-out: 70.168,40.482 70.168,48.275 70.778,48.885 72.747,48.885 72.747,51.257 82.023,51.257 78.588,47.05 78.588,40.482
  pour cut-out: 65.376,43.239 70.168,43.239 70.168,41.799 62.643,41.799 62.643,49.037 65.376,49.037
  pour cut-out: 69.142,48.882 64.578,48.882 64.435,49.037 63.747,49.037 63.747,53.773 66.186,56.212 69.142,56.212
  pour cut-out: 86.741,41.288 80.582,41.288 79.731,40.437 79.731,37.053 84.497,37.053 86.741,39.297
  pour cut-out: 97.588,69.875 93.904,69.875 93.904,68.068 89.898,64.062 97.588,64.062
  pour cut-out: 91.141,51.291 92.306,52.456 113.868,52.456 113.868,47.112 108.744,47.112 108.744,44.539 101.911,44.539 101.911,46.66 91.141,46.66
  pour cut-out: 105.369,42.575 105.369,38.89 107.521,38.89 111.206,42.575
  pour cut-out: 100.279,37.008 97.739,37.008 97.739,39.599 100.279,39.599
  pour cut-out: 93.934,35.794 92.326,35.794 92.326,39.426 94.443,41.539 94.804,41.539 94.804,36.664
  pour cut-out: 90.082,8.23 90.082,4.852 87.931,4.852 87.931,6.079
  pour cut-out: 73.073,3.407 73.073,5.41 73.716,5.41 73.716,2.763
  pour cut-out: 77.196,2.439 74.041,2.439 75.419,1.061 77.196,1.061
  pour cut-out: 90.474,8.621 90.474,5.438 89.691,4.656 87.335,4.656 87.335,5.482
  pour cut-out: 67.51,11.545 67.51,15.041 68.899,16.43 71.018,16.43 71.018,9.701 70.442,9.701 69.608,10.535 68.519,10.535
  pour cut-out: 102.517,1.061 103.078,1.623 129.286,1.623 129.286,-0.076 102.517,-0.076
  pour cut-out: 102.517,1.061
  pour cut-out: 97.64,23.699 98.215,23.123 100.35,23.123 100.35,17.214 97.64,17.214
  pour cut-out: 107.518,17.977 107.518,23.577 110.058,23.577 110.058,24.848 115.211,24.848 115.211,17.977
  pour cut-out: 108.03,12.967 100.1,12.967 100.1,10.683 108.03,10.683
  pour cut-out: 110.871,1.549 110.876,1.554 110.876,3.708 113.792,3.708 113.792,1.552 110.876,1.552
  pour cut-out: 112.539,11.604 114.458,9.684 121.107,9.684 121.107,16.333 122.122,17.348 127.451,17.348 128.803,15.996 128.803,9.373 126.61,7.179 114.367,7.179 112.736,5.548 106.541,5.548 106.541,11.604
  pour cut-out: 115.161,24.816 115.161,29.21 125.789,29.21 125.789,24.816
  pour cut-out: 134.214,23.325 140.27,23.325 140.27,22.095 134.214,22.095
  pour cut-out: 131.42,25.149 134.214,25.149 134.214,22.349 131.42,22.349
  pour cut-out: 134.181,31.672 134.181,32.902 140.27,32.902 140.27,31.672
  pour cut-out: 131.47,34.534 134.137,34.534 134.137,31.823 131.47,31.824
  pour cut-out: 134.134,41.079 134.134,42.266 140.27,42.266 140.27,41.079
  pour cut-out: 131.427,43.805 134.134,43.805 134.134,41.156 131.469,41.156 131.427,41.198
  pour cut-out: 127.501,48.006 127.501,56.214 135.814,56.214 135.814,55.163 138.559,55.163 138.559,49.344 135.932,49.344 135.932,48.006
  pour cut-out: 116.068,44.6 116.059,53.236 120.234,57.411 127.561,57.411 127.561,53.98 122.839,53.98 122.84,44.6
  pour cut-out: 122.282,63.789 125.343,63.789 125.343,59.769 122.282,59.769
  pour cut-out: 113.535,56.673 111.074,56.673 107.431,60.316 107.431,71.715 108.922,70.224 108.922,63.66 111.625,60.957 113.535,60.957
  pour cut-out: 93.904,68.068 93.904,70.852 94.909,71.857 97.588,71.857 97.588,68.068
  pour cut-out: 92.558,59.096 92.558,64.122 95.133,64.122 95.133,62.244 95.467,61.91 95.494,61.937 99.86,61.937 99.86,59.096
  pour cut-out: 34.262,72.923 31.907,72.923 31.907,69.222 33.293,69.235 33.293,70.708 33.858,71.272 36.488,71.272 37.062,71.846 37.055,76.956 34.268,76.956
  pour cut-out: 27.543,70.708 29.962,70.708 29.962,69.223 33.194,69.223 33.194,62.433 27.543,62.433
  pour cut-out: 34.262,72.923 34.262,76.962 37.062,76.962 37.055,76.956 37.055,72.93 34.268,72.93
  pour cut-out: 38.893,68.58 38.893,76.962 45.034,76.962 45.034,72.852 44.979,72.797 42.37,72.797 42.37,70.181 40.769,68.58
  pour cut-out: 47.446,66.952 47.446,69.326 41.766,69.326 41.766,66.952
Bottom Layer:
  pour cut-out: 83.658,33.976 83.658,38.741 86.397,38.741 86.397,33.976
  pour cut-out: 86.06,43.064 86.06,36.93 84.826,36.93 81.204,40.552 81.204,43.064
  pour cut-out: 84.996,43.064 94.436,43.064 94.436,37.101 84.996,37.101
  pour cut-out: 128.499,31.166 130.655,33.323 130.767,33.323 130.767,30.916 130.509,30.658 128.499,30.658
  pour cut-out: 119.482,53.772 119.482,64.414 126.34,57.556 126.34,55.118 124.993,53.772
  pour cut-out: 119.482,51.74 120.273,50.948 120.273,46.676 113.268,48.019 94.372,48.019 94.372,51.739
  pour cut-out: 106.995,25.951 110.766,25.951 110.766,20.422 106.995,20.422
  pour cut-out: 101.036,10.474 95.974,10.474 95.974,13.084 101.036,13.084
  pour cut-out: 89.511,18.131 91.627,20.247 91.773,20.247 91.773,16.987 89.511,16.987
  pour cut-out: 76.616,26.721 76.616,27.49 77.452,28.326 78.744,28.326 78.744,30.077 79.653,30.077 79.653,26.772 79.704,26.721
  pour cut-out: 91.127,35.398 84.2,35.398 84.2,33.976 79.994,33.976 79.994,25.289 91.127,25.289
  pour cut-out: 96.51,34.712 96.51,42.034 112.346,42.034 112.346,38.938 106.324,38.938 106.324,32.868 99.38,32.868 99.38,24.884 94.235,24.884 94.235,32.438
  pour cut-out: 132.198,11.558 132.198,9.388 129.286,9.388 129.286,5.08 136.703,5.08 136.703,11.558
  pour cut-out: 118.124,30.076 118.124,20.563 113.41,15.85 111.805,15.85 111.805,12.489 118.524,12.489 118.524,6.893 118.788,6.629 128.315,6.629 128.315,17.731 136.19,17.731 136.19,22.047 130.41,22.047 122.381,30.076
  pour cut-out: 107.404,0.406 107.404,4.423 107.391,4.41 101.651,4.41 101.651,0.406
  pour cut-out: 91.618,1.803 91.618,8.912 101.08,8.912 101.08,1.742 91.06,1.742
  pour cut-out: 69.016,13.767 69.016,16.923 77.179,16.923 77.179,7.565 70.977,13.767
  pour cut-out: 65.123,2.771 60.802,2.771 60.802,4.684 63.579,7.461 65.123,7.461
  pour cut-out: 51.616,3.302 51.616,11.82 54.534,11.82 54.534,12.764 57.239,15.469 57.239,23.57 53.846,26.902 53.834,29.559 60.078,29.559 62.584,27.052 62.584,15.824 67.183,11.225 69.775,11.225 73.716,7.284 73.716,4.294 67.132,4.294 66.322,5.104 66.322,7.906 64.239,9.989 62.241,9.989 62.241,6.122 59.421,3.302
  pour cut-out: 44.396,17.864 44.396,24.693 49.54,24.693 49.54,17.864
  pour cut-out: 48.434,18.359 48.434,9.778 42.289,9.778 42.293,3.302 38.661,3.302 38.661,18.359

## Silkscreen, mask and mechanical layers (free items; w line width, h text height)
Top Overlay:
  lines w0.254: 81.585,67.843 82.702,67.843 ; 81.585,73.431 82.601,73.431 ; 82.144,67.335 82.144,68.352

## Text inside footprints (layer, text, board x,y; h text height)
USB: Top Peelable "PCB EDGE" at 141.805,54.954 h1 r270